# Altium PCB NG2092.PcbDoc (part 1 of 5) (continued)
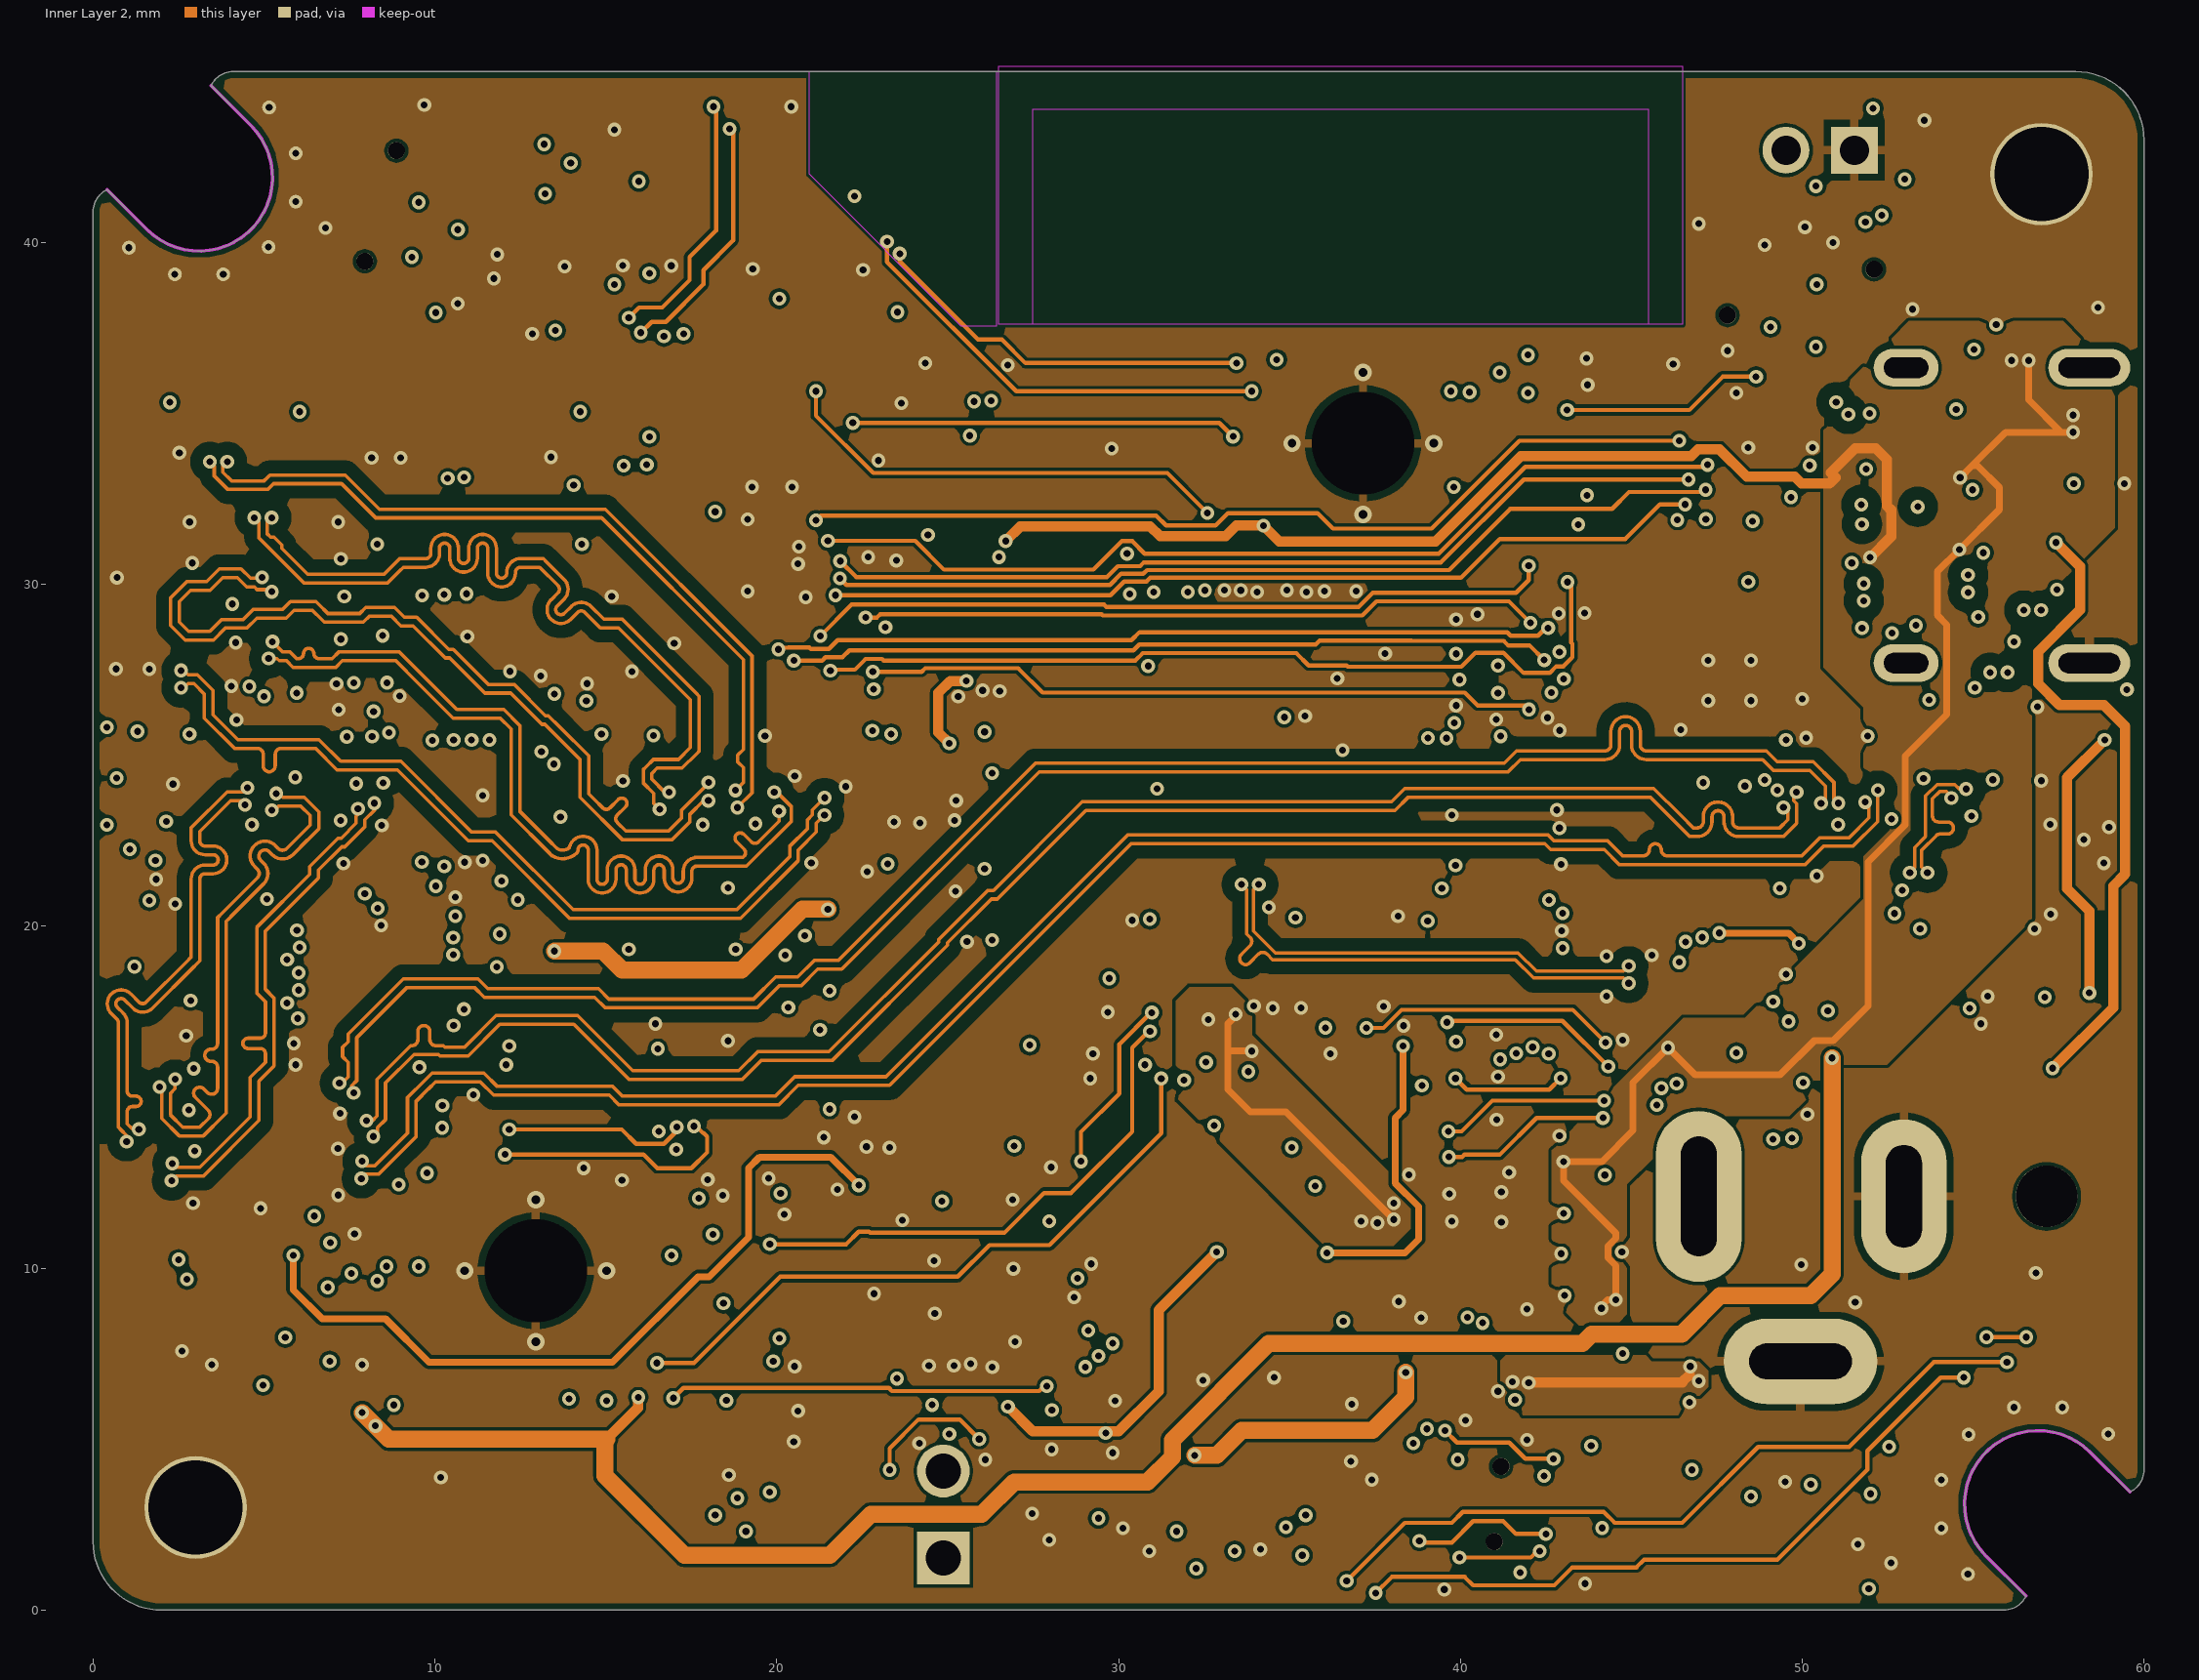
[diagram p4: Inner Layer 2]
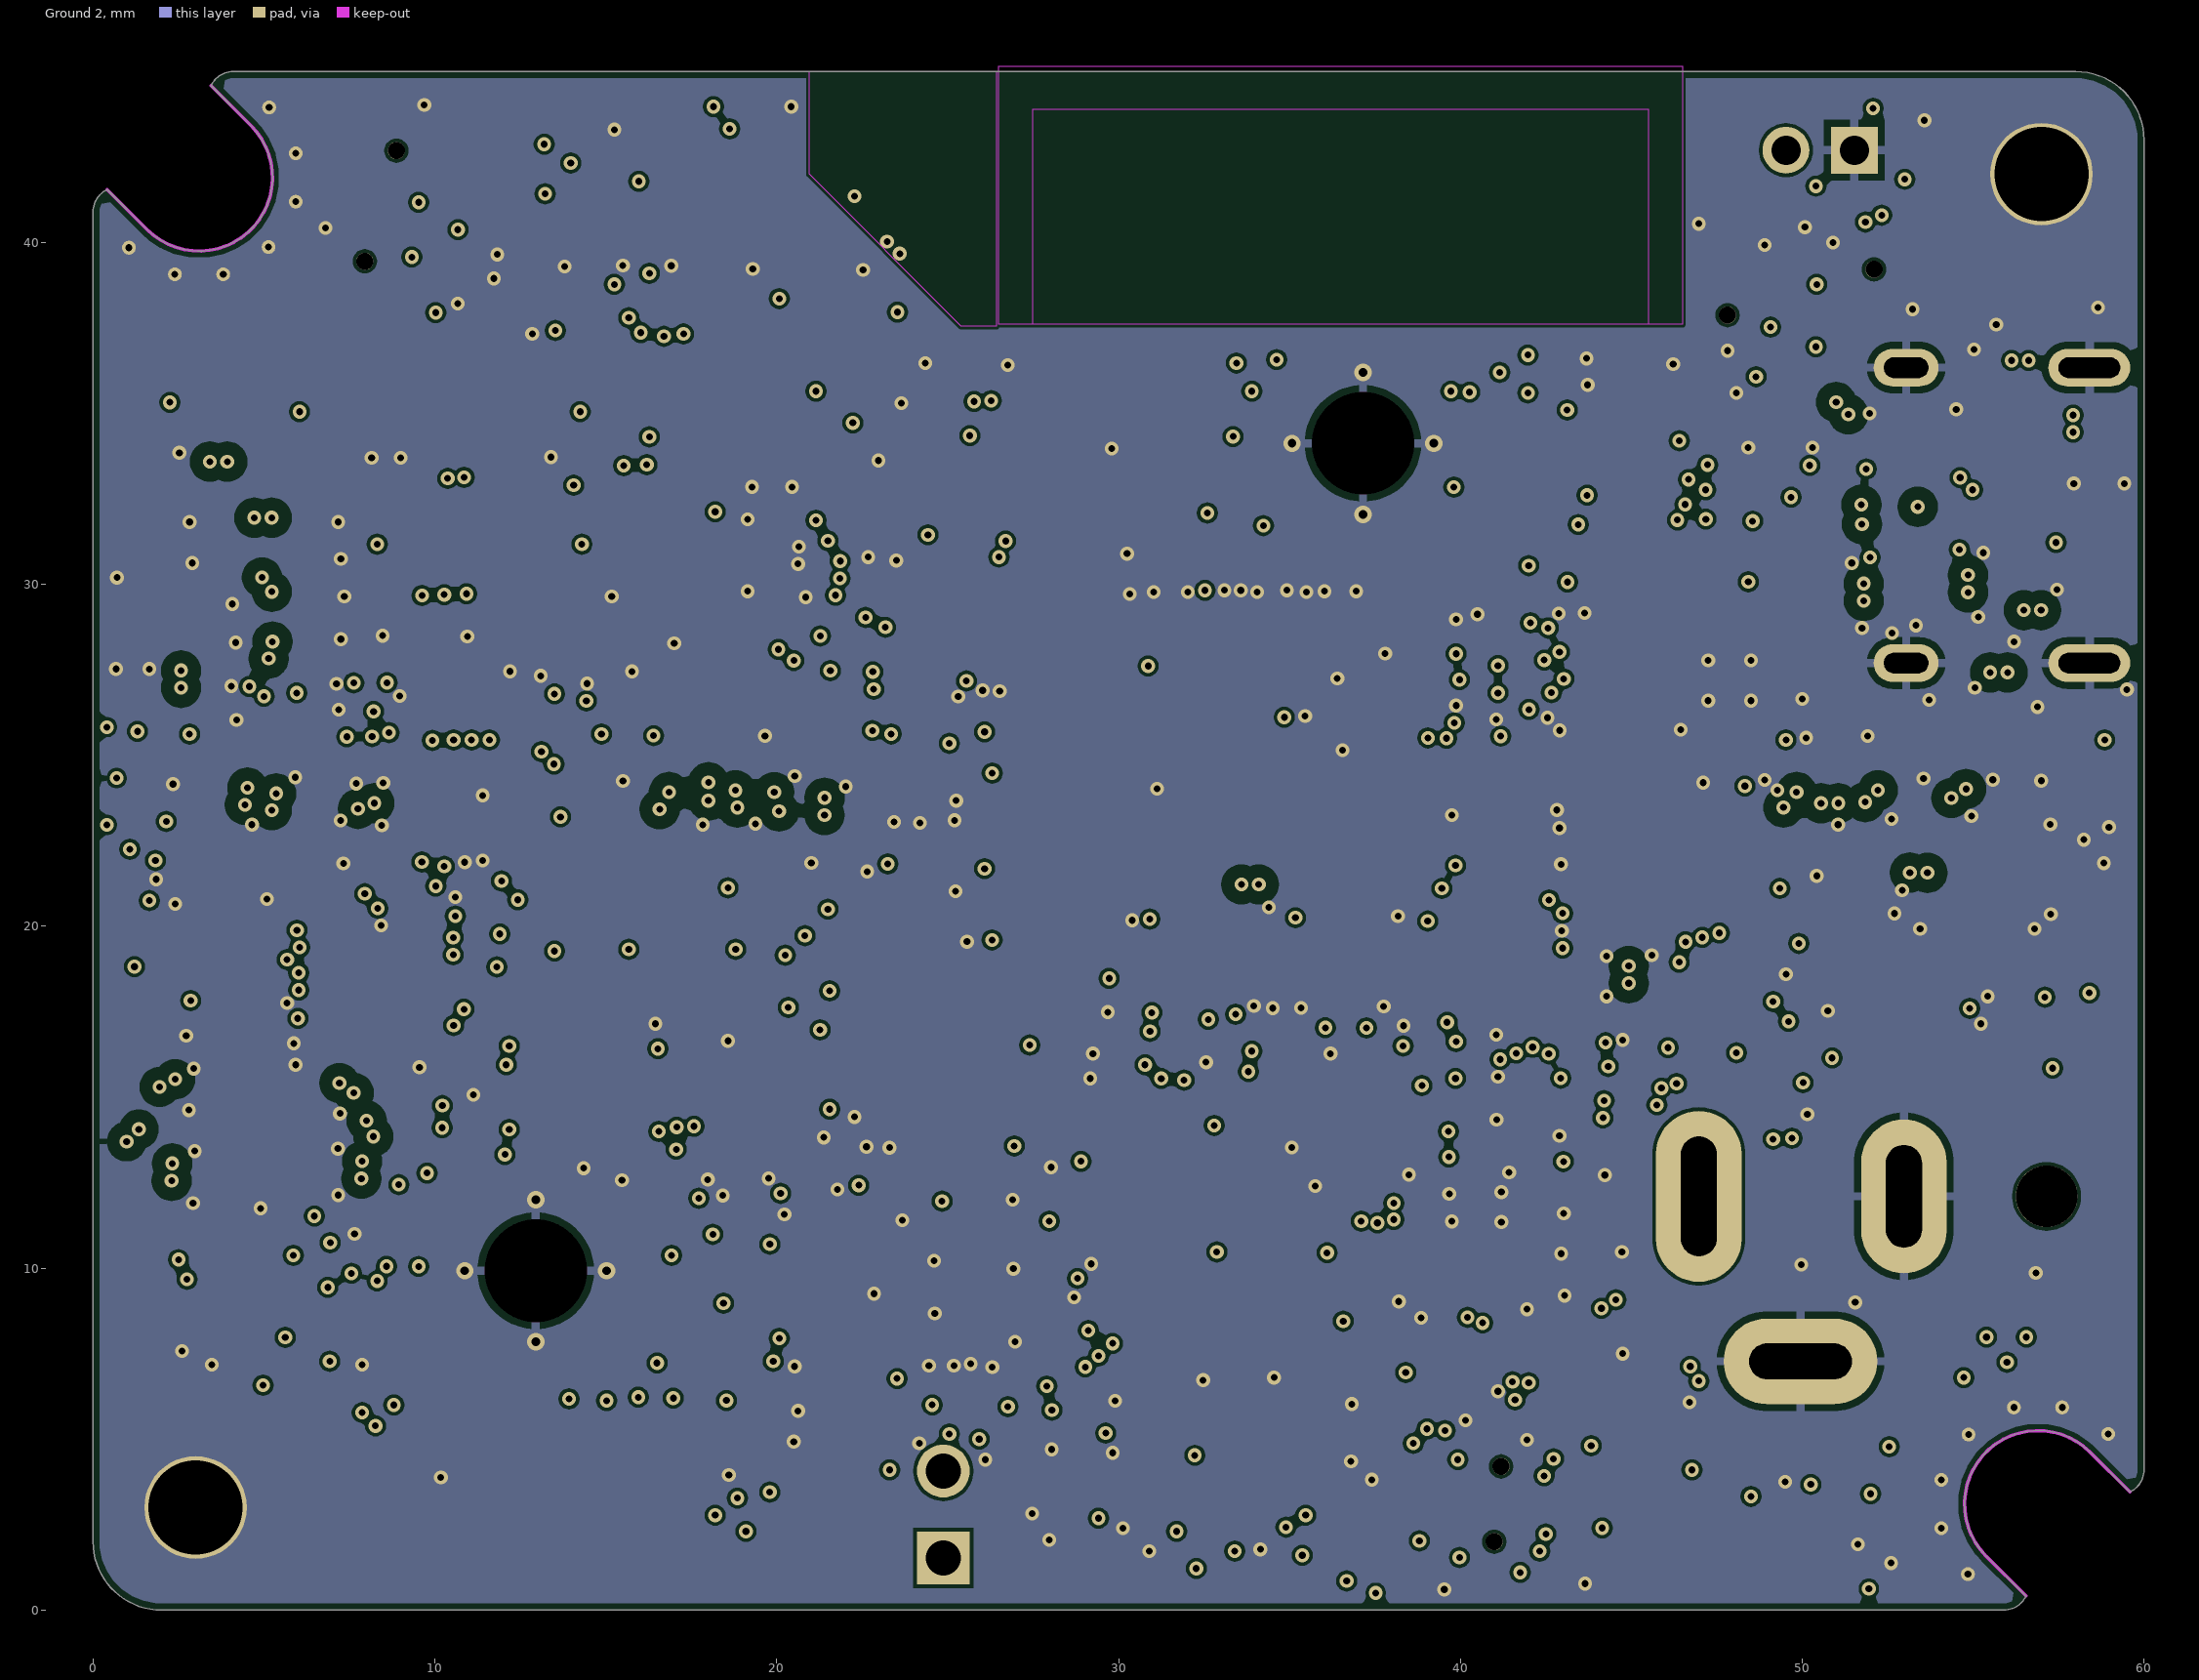
[diagram p5: Ground 2]

## Layer stack, top to bottom
Top Mask: solder mask 0.015, Solder Resist, Dk 3.8
Top Layer: signal copper 0.035
Dielectric 1: prepreg 0.1, 2313, Dk 4.05
Inner Layer 1: signal copper 0.018
Core 1: core 0.565, FR-4, Dk 4.5
Ground 1: signal copper 0.018
Dielectric 2: prepreg 0.127, 2116, Dk 4.25
Inner Layer 2: signal copper 0.018
Core 2: core 0.565, FR-4, Dk 4.5
Ground 2: signal copper 0.018
Dielectric 3: prepreg 0.1, 2313, Dk 4.05
Bottom Layer: signal copper 0.035
Bottom Mask: solder mask 0.015, Solder Resist, Dk 3.8

## Board outline
0,2 0,40.545 0,40.9 cw(c0.71,40.9) 0.41,41.543 0.413,41.546 1.58,40.38 ccw(c3.1,41.9) 4.62,43.42 3.453,44.587 3.456,44.59 cw(c4.1,44.289) 4.1,45 4.455,45 58,45 cw(c58,43) 60,43 60,43.008 60,4.455 60,4.1 cw(c59.29,4.1) 59.59,3.457 59.587,3.454 58.42,4.62 ccw(c56.9,3.1) 55.38,1.58 56.547,0.413 56.544,0.41 cw(c55.9,0.711) 55.9,0 2,0 cw(c2,2)

## Design rules (kind name [scope] priority, off if disabled: settings)
AssemblyTestPointUsage [All] p1: valid=2
BoardOutlineClearance [All] p1: gap=0.2 ignorepadtopadclearanceinfootprint=FALSE
Clearance Clearance_SD [InNetClass('SD')] p1: gap=0.15 ignorepadtopadclearanceinfootprint=TRUE
Clearance Clearance_Diff_to_GND [InNet('GND') vs InAnyDifferentialPair] p2: gap=0.125 ignorepadtopadclearanceinfootprint=TRUE except(0.381: Arc-Poly Track-Poly SMDPad-Poly THPad-Poly Via-Poly Fill-Poly Poly-Poly)
Clearance Clearance_Diff_to_Poly [InPolygon vs (InDifferentialPairClass('All Differential Pairs'))] p3: gap=0.381 ignorepadtopadclearanceinfootprint=TRUE
Clearance Clearance_USB2_to_Conn [(TouchesRoom('RoomDefinition') ) and (istrack or isvia or ispad) and OnBottomLayer vs InNetClass('USB2')] p4: gap=0.1 ignorepadtopadclearanceinfootprint=TRUE
Clearance Clearance_Diff_to_Foot [(TouchesRoom('RoomDefinition') or TouchesRoom('RoomDefinition_1') or TouchesRoom('RoomDefinition_2')  or TouchesRoom('RoomDefinition_3')  or TouchesRoom('RoomDefinition_4')or TouchesRoom('RoomDefinition_5') ) and istrack and OnBottomLayer vs InDifferentialPairClass('All Differential Pairs')] p5: gap=0.1 ignorepadtopadclearanceinfootprint=TRUE
Clearance Clearance_Diff_to_Diff_Intra [(InDifferentialPairClass('All Differential Pairs'))] p6: gap=0.1 ignorepadtopadclearanceinfootprint=TRUE
Clearance Clearance_Diff_to_All [All vs InAnyDifferentialPair] p7: gap=0.381 ignorepadtopadclearanceinfootprint=TRUE except(0.2: Arc-SMDPad Track-SMDPad SMDPad-SMDPad)
Clearance [All] p8: gap=0.1 ignorepadtopadclearanceinfootprint=TRUE
ComponentClearance [All] p1: gap=0 collisioncheckmode=3 verticalgap=0 showdistances=FALSE
DiffPairsRouting 90ohm [InDifferentialPairClass('90ohm')] p1: maxlimit=0.254 minlimit=0.101 mostfreqgap=0.127 toplayer_mingap=0.102 toplayer_maxgap=0.102 toplayer_prefgap=0.102 toplayer_minwidth=0.127 toplayer_maxwidth=0.127 toplayer_prefwidth=0.127 midlayer3_maxgap=0.101 midlayer3_prefgap=0.101 midlayer3_minwidth=0.1 midlayer3_maxwidth=0.1 midlayer3_prefwidth=0.1 bottomlayer_mingap=0.102 bottomlayer_maxgap=0.102 bottomlayer_prefgap=0.102 bottomlayer_minwidth=0.127 bottomlayer_maxwidth=0.127 bottomlayer_prefwidth=0.127 impedanceprofiledriven=TRUE impedanceprofileid={0622CD31-D201-4870-AB87-C0DE339380BD} impedanceprofilevalue=90.000000 maxuncoupledlength=12.7
DiffPairsRouting 100ohm [InDifferentialPairClass('100ohm')] p2: maxlimit=0.254 minlimit=0.114 mostfreqgap=0.152 toplayer_maxgap=0.114 toplayer_prefgap=0.114 toplayer_minwidth=0.102 toplayer_maxwidth=0.102 toplayer_prefwidth=0.102 midlayer3_mingap=0.152 midlayer3_maxgap=0.152 midlayer3_minwidth=0.102 midlayer3_maxwidth=0.102 midlayer3_prefwidth=0.102 bottomlayer_maxgap=0.114 bottomlayer_prefgap=0.114 bottomlayer_minwidth=0.102 bottomlayer_maxwidth=0.102 bottomlayer_prefwidth=0.102 impedanceprofiledriven=TRUE impedanceprofileid={3488A6E8-5CCD-4C1F-83CE-D7ADA88E5ACB} impedanceprofilevalue=100.000000 maxuncoupledlength=12.7
FabricationTestPointUsage [All] p1: valid=2 allowmultiple=FALSE
FanoutControl [All] p1: bgadir=Out bgaviamode=Centered fanoutstyle=Rows fanoutdirection=OutOnly viagrid=0.025
FanoutControl Fanout_BGA [IsBGA] p2: bgadir=Out bgaviamode=Centered fanoutstyle=Auto fanoutdirection=Alternating viagrid=0.025 // Fanout_BGA (Default Rule)
FanoutControl Fanout_LCC [IsLCC] p3: bgadir=Out bgaviamode=Centered fanoutstyle=Auto fanoutdirection=Alternating viagrid=0.025 // Fanout_LCC (Default Rule)
FanoutControl Fanout_SOIC [IsSOIC] p4: bgadir=Out bgaviamode=Centered fanoutstyle=Auto fanoutdirection=Alternating viagrid=0.025 // Fanout_SOIC (Default Rule)
FanoutControl Fanout_Small [(CompPinCount < 5)] p5: bgadir=Out bgaviamode=Centered fanoutstyle=Auto fanoutdirection=OutThenIn viagrid=0.025 // Fanout_Small (Default Rule)
FanoutControl Fanout_Default [All] p6: bgadir=Out bgaviamode=Centered fanoutstyle=Auto fanoutdirection=Alternating viagrid=0.025 // Fanout_Default (Default Rule)
HoleSize [All] p1: absolutevalues=TRUE maxlimit=25.4 minlimit=0.2 maxpercent=80.000 minpercent=20.000
HoleToHoleClearance [All] p1: gap=0.25 allowstackedmicrovias=FALSE
MatchedLengths MatchLengths_MIPI_CAM_C [InxSignalClass('xSignals_MIPI_CAM_C')] p1: tolerance=0.1 checknetsindiffpair=FALSE checkdiffpairvsdiffpair=TRUE checkxsignals=TRUE checkothers=TRUE
MatchedLengths MatchLengths_MIPI_CAM_A [InxSignalClass('xSignals_MIPI_CAM_A')] p2: tolerance=0.1 checknetsindiffpair=FALSE checkdiffpairvsdiffpair=TRUE checkxsignals=TRUE checkothers=TRUE
MatchedLengths MatchLengths_MIPI_CAM_B [InxSignalClass('xSignals_MIPI_CAM_B')] p3: tolerance=0.1 checknetsindiffpair=FALSE checkdiffpairvsdiffpair=TRUE checkxsignals=TRUE checkothers=TRUE
MatchedLengths MatchLengths_SS_RX_inter [InxSignalClass('xSignals_SS_RX')] p4: tolerance=0.1 checknetsindiffpair=TRUE checkdiffpairvsdiffpair=FALSE checkxsignals=FALSE checkothers=FALSE usedelayunits=TRUE delaytolerance=1.000000
MatchedLengths MatchLengths_SS_TX_inter [InxSignalClass('xSignals_SS_TX')] p5: tolerance=0.1 checknetsindiffpair=TRUE checkdiffpairvsdiffpair=FALSE checkxsignals=FALSE checkothers=FALSE usedelayunits=TRUE delaytolerance=1.000000
MatchedLengths MatchLengths_IMU [InxSignalClass('xSignals_IMU')] p6: tolerance=50 checknetsindiffpair=FALSE checkdiffpairvsdiffpair=TRUE checkxsignals=TRUE checkothers=TRUE
MatchedLengths MatchLengths_ESP_MX [InxSignalClass('xSignals_ESP_SPI1')] p7: tolerance=50 checknetsindiffpair=FALSE checkdiffpairvsdiffpair=TRUE checkxsignals=TRUE checkothers=TRUE
MatchedLengths MatchLengths_ESP_MX_1 [InxSignalClass('xSignals_ESP_MX')] p8: tolerance=50 checknetsindiffpair=FALSE checkdiffpairvsdiffpair=TRUE checkxsignals=TRUE checkothers=TRUE
MatchedLengths MatchLengths_SDIO [InxSignalClass('xSignals_SDIO')] p9: tolerance=50 checknetsindiffpair=FALSE checkdiffpairvsdiffpair=TRUE checkxsignals=TRUE checkothers=TRUE
MinimumSolderMaskSliver MinimumSolderMaskSliver_mic [HasFootprint('ICS-43434')] p1: minsoldermaskwidth=0.049
MinimumSolderMaskSliver [All vs not ( HasFootprint('DF40HC-3.0-100DS-0.4V_minpad')  or HasFootprint('CP2102N-A02-GQFN28R')  or HasFootprint('10118192-0001LF')  or HasFootprint('TPD4EUSB30DQAR')  or HasFootprint('105450-0101') )] p2: minsoldermaskwidth=0.076
PolygonConnect PolygonConnect_MIC [HasFootprint('ICS-43434') vs (ObjectKind = 'Region')] p1: connectstyle=NoConnect reliefconductorwidth=0.254 reliefentries=4 polygonreliefangle="90 Angle" airgapwidth=0.25
PolygonConnect PolygonConnect_Holes [(HasFootprint('SLOT_HOLE_M2.5') OR HasFootprint('MOUNTING_HOLE_M2.5'))] p2: connectstyle=Direct reliefconductorwidth=0.254 reliefentries=4 polygonreliefangle="90 Angle" airgapwidth=0.254
PolygonConnect PolygonConnect_Direct [InNetClass('POWER')] p3: connectstyle=Direct reliefconductorwidth=0.254 reliefentries=4 polygonreliefangle="90 Angle" airgapwidth=0.254
PolygonConnect [All] p4: thpad.connectstyle=Relief thpad.reliefconductorwidth=0.25 thpad.reliefentries=4 thpad.polygonreliefangle="90 Angle" thpad.airgapwidth=0.2 smdpad.connectstyle=Relief smdpad.reliefconductorwidth=0.25 smdpad.reliefentries=4 smdpad.polygonreliefangle="90 Angle" smdpad.airgapwidth=0.2 via.connectstyle=Direct via.reliefconductorwidth=0.254 via.reliefentries=4 via.polygonreliefangle="90 Angle" via.airgapwidth=0.254
RoomDefinition RoomDefinition_5 [False] p1: confinementstyle=ConfineIn formatcopy=TRUE lockcomponents=FALSE outline 28.6,31.025 28.6,32.225 30.375,32.225 30.375,31.025
RoomDefinition RoomDefinition_4 [False vs False] p2: confinementstyle=ConfineIn formatcopy=TRUE lockcomponents=FALSE outline 53.25,20.525 53.25,21.275 57,21.275 57,20.525
RoomDefinition RoomDefinition_3 [False vs False] p3: confinementstyle=ConfineIn formatcopy=TRUE lockcomponents=FALSE outline 34.725,23.9 33.25,23.9 33.25,25.675 34.725,25.675
RoomDefinition RoomDefinition_2 [False vs False] p4: confinementstyle=ConfineIn formatcopy=TRUE lockcomponents=FALSE outline 30.825,20.375 30.825,21.675 33.2,21.675 33.2,20.375
RoomDefinition [False vs False] p5: confinementstyle=ConfineIn formatcopy=TRUE lockcomponents=FALSE outline 51.775,35.525 54.625,35.525 54.625,28.525 51.775,28.525
RoomDefinition RoomDefinition_1 [False vs False] p6: confinementstyle=ConfineIn formatcopy=TRUE lockcomponents=FALSE outline 53.152,18.2 53.152,19.008 57.072,19.008 57.072,18.2
RoutingVias RoutingVias_DiffPairs [InDifferentialPairClass('All Differential Pairs')] p1: holewidth=0.203 width=0.406 viastyle="Through Hole" minholewidth=0.203 minwidth=0.406 maxholewidth=0.203 maxwidth=0.406
RoutingVias RoutingVias_General [All] p2: holewidth=0.203 width=0.406 viastyle="Through Hole" minholewidth=0.203 minwidth=0.406 maxholewidth=0.203 maxwidth=0.406
SilkToSilkClearance [All] p1: silktosilkclearance=0.025
SilkToSolderMaskClearance [InPadClass('All Pads')] p1: minsilkscreentomaskgap=0 clearancetoexposedcopper=FALSE
SolderMaskExpansion SolderMaskExpansion_Via [isvia] p1: expansion=-10 istentingtop=TRUE
SolderMaskExpansion [All] p2: expansion=0.102 istentingtop=FALSE
UnRoutedNet [All] p1: checkbadconnections=TRUE
Width Width_Power [InNetClass('POWER')] p1: maxlimit=1 minlimit=0.2 preferedwidth=0.3
Width [All] p2: maxlimit=2 minlimit=0.125 preferedwidth=0.2
15 further rules are at their usual default settings.

## Classes and differential pairs
net class USB2: USB_D_N USB_D_P
polygon class GND: GND_L01_P022 GND_L02_P021 GND_L03_P000 GND_L04_P016 GND_L05_P001 GND_L06_P020
net class POWER: 1V2 1V2_L 1V2_R 1V05 1V05_IMX378 1V8 1V8_IMX378 1V8_L 1V8_MIC_1 1V8_MIC_2 1V8_MIC_3 1V8_R 2V8 2V8_IMX378 2V8_L 2V8_R 3V3 NetC40_2 VBUS VDD_5V
component class U_NG2092_EEPROM: C86 R63 R68 R69 R70 R71 R72 R73 U18
net class USB: RXB_N RXB_P RXC_N RXC_P TXB1_N TXB1_P TXB_N TXB_P TXC1_N TXC1_P TXC_N TXC_P USB_D_N USB_D_P USB_ESP_D_N USB_ESP_D_P USB_MX_D_N USB_MX_D_P USB_RX_N USB_RX_P USB_TX_N USB_TX_P
net class SPI1_1V8: SPI1_CLK_1V8 SPI1_CS0_1V8 SPI1_D0_1V8 SPI1_D1_1V8 SPI1_D2_1V8 SPI1_D3_1V8
net class SPI0_1V8: GPIO8/SPI0_CS_1 SPI0_CS_0 SPI0_SCK SPI0_SIO0 SPI0_SIO1 SPI0_SIO2 SPI0_SIO3
net class ESP_VSPI: ESP_GPIO27 VSPI_CS0 VSPI_HOLDn_SIO3 VSPI_SCK VSPI_SDI_SIO1 VSPI_SDO_SIO0 VSPI_WPn_SIO2
net class ESP_SPI1_3V3: ESP_GPIO2_D0 ESP_GPIO4_D1 ESP_GPIO12_D2 ESP_GPIO13_D3 ESP_GPIO14_CLK ESP_GPIO15_CS0
component class U_NG2092_SPEAKER: C89 C91 C92 C93 C94 C95 C96 C97 C98 C99 C100 C101 C102 C103 D10 J4 LS1 R66 R76 R77 U17
component class U_NG2092_SDCARD: C73 D5 D9 J1
component class U_NG2092_MICS: C37 C59 C60 C61 C62 C63 C64 C65 C66 C67 C68 C69 L10 L11 L12 MIC1 MIC2 MIC3 MIC4 MIC5 MIC6
differential pair class 90ohm: RXB RXC TXB TXB1 TXC TXC1 USB_D USB_ESP_D USB_MX_D USB_RX USB_TX
differential pair class 100ohm: MIPI_RX2_C MIPI_RX2_D0 MIPI_RX2_D1 MIPI_RX3_C MIPI_RX3_D0 MIPI_RX3_D1 MIPI_RX4_C MIPI_RX4_D0 MIPI_RX4_D1 MIPI_RX5_D0 MIPI_RX5_D1
net class SPI0: GPIO8/SPI0_CS_1 SPI0_CS_0 SPI0_SCK SPI0_SIO0 SPI0_SIO1 SPI0_SIO2 SPI0_SIO3
net class SDIO: SD0_CLK_3V3 SD0_CMD_3V3 SD0_D0_3V3 SD0_D1_3V3 SD0_D2_3V3 SD0_D3_3V3
net class MIPI_CAM_C: MIPI_RX3_C_N MIPI_RX3_C_P MIPI_RX3_D0_N MIPI_RX3_D0_P MIPI_RX3_D1_N MIPI_RX3_D1_P
net class MIPI_CAM_B: MIPI_RX2_C_N MIPI_RX2_C_P MIPI_RX2_D0_N MIPI_RX2_D0_P MIPI_RX2_D1_N MIPI_RX2_D1_P
net class MIPI_CAM_A: MIPI_RX4_C_N MIPI_RX4_C_P MIPI_RX4_D0_N MIPI_RX4_D0_P MIPI_RX4_D1_N MIPI_RX4_D1_P MIPI_RX5_D0_N MIPI_RX5_D0_P MIPI_RX5_D1_N MIPI_RX5_D1_P
net class I2S1: I2S2_IN_SD0 I2S2_IN_SD1 I2S2_IN_SD2 I2S2_OUT_SD0 I2S2_SCK I2S2_WS
component class U_NG2092_USB: C29 C30 C31 C32 C33 C34 C35 C36 C41 D6 D7 D8 J10 R11 R12 R13 R14 R15 R16 R17 R18 R19 R20 R21 U5 U6
component class U_NG2092_RIGHT_OV9282: C23 C24 C25 C26 C27 C28 FB7 FB8 FB9 J9 R47 R48 R49
component class U_NG2092_QWIIC: J11
component class U_NG2092_Power_Supply: C13 C14 C15 C16 C17 C18 C19 C20 C21 C22 C38 C39 C40 D1 J7 J8 L1 L2 R5 R6 R7 R8 R78 TP1 TP2 TP3 TP4 TP5 TP6 TP7 U1 U2 U3 U4 U8 U9 U10
component class U_NG2092_LEVEL_SHIFT: C49 C50 C51 C52 C53 C54 C70 C71 C72 R39 R40 R50 U7 U13 U14
component class U_NG2092_LEFT_OV9282: C7 C8 C9 C10 C11 C12 FB4 FB5 FB6 J3 R2 R3 R4 R9 R24 R26 R28
component class U_NG2092_IMX378: C1 C2 C3 C4 C5 C6 FB1 FB2 FB3 J2 R1 R25 R27
component class U_NG2092_IMU: C42 C43 C44 C45 C46 C47 C48 R29 R30 R35 R36 R37 R38 U12 Y1
component class U_NG2092_ESP32: C55 C56 C57 C58 J5 J6 Q4 R41 R42 R43 R44 R45 R46 U11 U15
component class U_NG2092_Connector_B: J13 R10 R22 R23 R31 R60 R61 R74 R75
component class U_NG2092_Connector_A: D2 D3 D4 J12 MH1 MH2 Q1 Q2 R32 R33 R34 R67 SW1
component class NG2092_TopLevel: FID1 FID2 FID3 FID4 FID5 FID6 MP1 MP2 MP5 MP7
component class U_NG2092_USB_HUB: C74 C75 C76 C77 C78 C79 C80 C81 C82 C83 C84 C85 R51 R52 R53 R54 R55 R56 R57 R58 R59 R62 R64 R65 U16 X1
differential pair USB_TX: +USB_TX_P -USB_TX_N
differential pair USB_RX: +USB_RX_P -USB_RX_N
differential pair USB_MX_D: +USB_MX_D_P -USB_MX_D_N
differential pair USB_ESP_D: +USB_ESP_D_P -USB_ESP_D_N
differential pair USB_D: +USB_D_P -USB_D_N
differential pair TXC: +TXC_P -TXC_N
differential pair TXC1: +TXC1_P -TXC1_N
differential pair TXB: +TXB_P -TXB_N
differential pair TXB1: +TXB1_P -TXB1_N
differential pair RXC: +RXC_P -RXC_N
differential pair RXB: +RXB_P -RXB_N
differential pair MIPI_RX5_D1: +MIPI_RX5_D1_P -MIPI_RX5_D1_N
differential pair MIPI_RX5_D0: +MIPI_RX5_D0_P -MIPI_RX5_D0_N
differential pair MIPI_RX4_D1: +MIPI_RX4_D1_P -MIPI_RX4_D1_N
differential pair MIPI_RX4_D0: +MIPI_RX4_D0_P -MIPI_RX4_D0_N
differential pair MIPI_RX4_C: +MIPI_RX4_C_P -MIPI_RX4_C_N
differential pair MIPI_RX3_D1: +MIPI_RX3_D1_P -MIPI_RX3_D1_N
differential pair MIPI_RX3_D0: +MIPI_RX3_D0_P -MIPI_RX3_D0_N
differential pair MIPI_RX3_C: +MIPI_RX3_C_P -MIPI_RX3_C_N
differential pair MIPI_RX2_D1: +MIPI_RX2_D1_P -MIPI_RX2_D1_N
differential pair MIPI_RX2_D0: +MIPI_RX2_D0_P -MIPI_RX2_D0_N
differential pair MIPI_RX2_C: +MIPI_RX2_C_P -MIPI_RX2_C_N
